# Allegro board sk_s7g2 rev3.0.brd (continued)
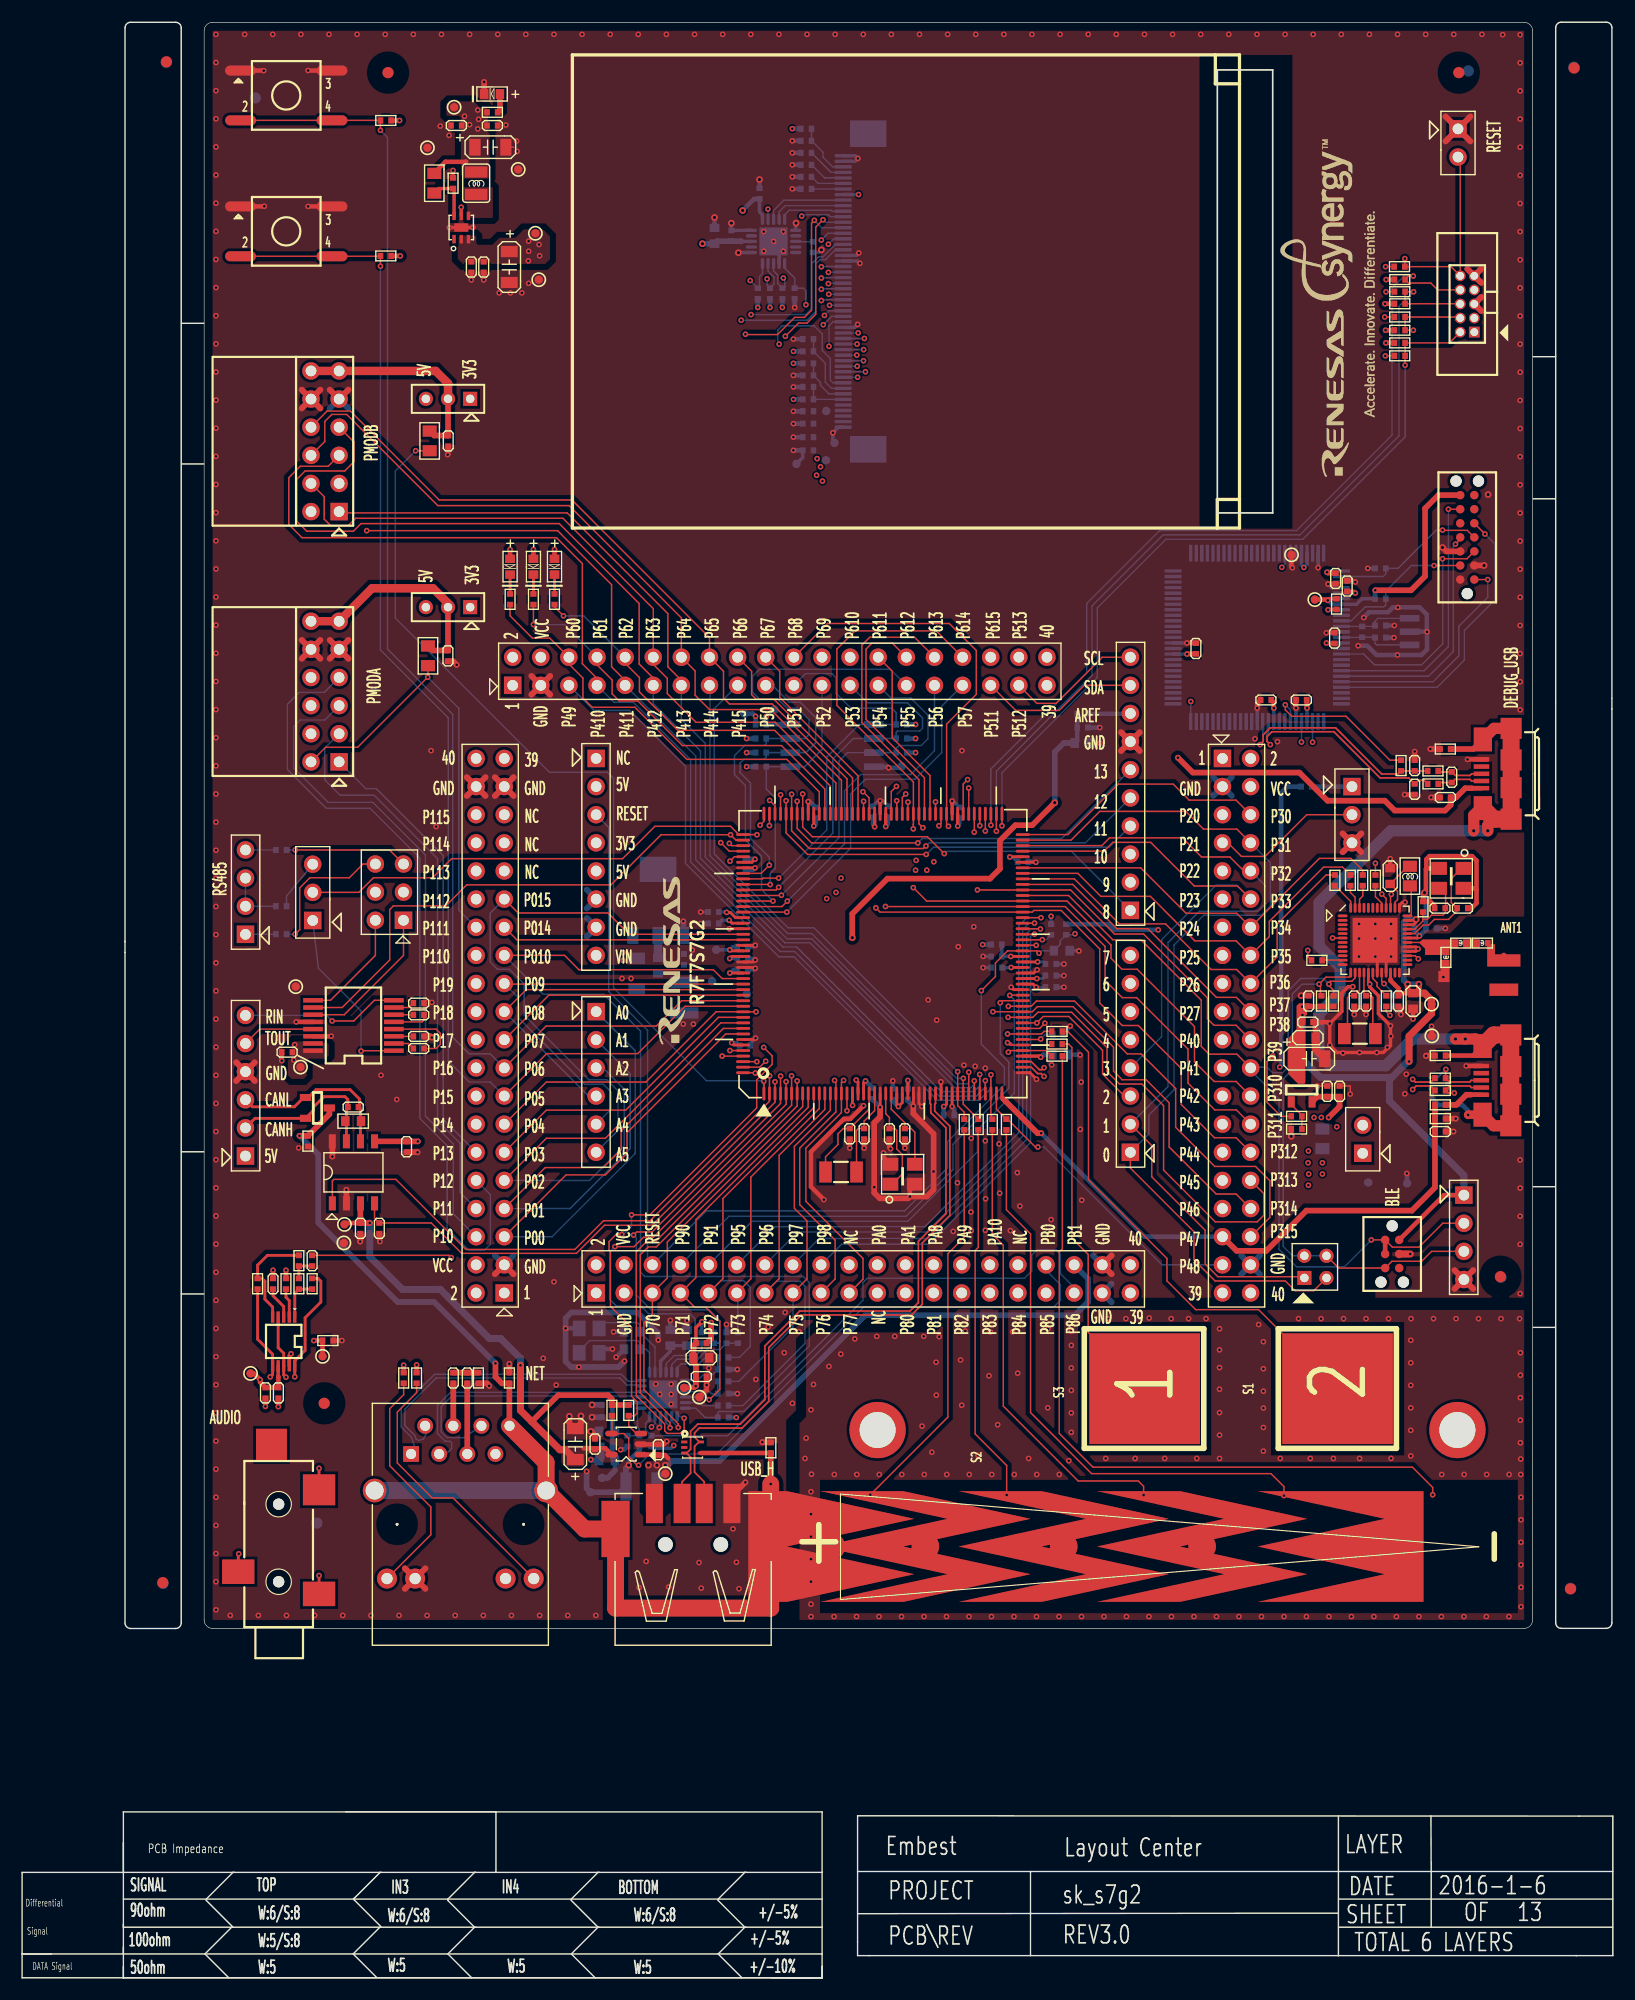
[diagram p0: board, top side]
## Routing (per net, layer and track width the routed paths; a pad name or vN(x,y) marks a point on that pad's centre or on a via; arc(x,y) is an arc through that point)
+3V3: length 142.5
  TOP w0.305: 23.13,54.29 U10.7 ; R83.1 118.09,124.52 v1(117.94,124.37) ; v1(117.82,120.52) 117.86,120.48 C72.1
  TOP w0.406: 40.11,163.99 40.09,163.96 38.23,163.96 37.23,162.96 R118.1 ; v1(105.22,119.52) 105.24,119.54 C70.1 ; R76.1 v1(34.16,155.47) ; v1(113.06,114.64) 113.06,115.14 C73.1 ; LED3.1 v1(48.09,128.96) ; LED2.1 v1(46.18,128.96) ; LED1.1 v1(44.07,128.96) ; C74.1 116.03,114.66 v1(116.06,114.63) ; v1(117.86,126.91) 117.94,126.83 C71.1 ; R75.1 v1(34.09,167.7) ; 23.13,54.29 23.15,54.27 C66.1 C67.1 21.49,53.78 v1(21.49,54.01) 20.93,54.57 TP19.1 ; R52.1 v1(34.46,55.32) ; R105.1 v1(123.15,148.76) ; R51.1 v1(35.63,55.34) ; v1(117.94,124.37) 117.86,124.44 TP21.1 ; R103.1 v1(123.21,153.33) ; R69.1 v1(23.83,63.89) ; R104.1 v1(123.1,151.15) ; R106.2 v1(123.18,147.62)
  TOP w0.508: U8.5 34.72,75.53 C49.1 v1(35.74,75.52) ; Q1.2 116.99,79.56 C111.1 C110.1 119,78.67 v1(118.01,77.68) ; v1(122.23,125.28) 125.46,125.28 126.73,126.55 126.73,132.67 127.92,133.87 J17.8 ; v1(62.24,59.16) 62.24,57.72 R47.1
  INT3 w0.406: v1(65.44,109.35) v1(65.44,110.62) v1(65.44,111.89)
  INT4 w0.533: 46.01,120.08 J22.4 ; J22.4 47.69,120.08 ; J22.4 47.69,118.4 ; J22.4 46.01,118.4 ; 51.01,103.32 J25.4 ; J25.4 52.69,103.32 ; J25.4 52.69,101.64 ; J25.4 51.01,101.64 ; 110.12,106.72 J21.4 ; J21.4 110.12,108.4 ; J21.4 111.81,106.72 ; J21.4 111.81,108.4 ; J18.1 131.8,149.21 ; J18.1 130.55,147.96 ; J18.1 131.8,147.96 ; J23.4 55.23,63.54 ; J23.4 55.23,65.22 ; J23.4 53.55,63.54 ; J23.4 53.55,65.22 ; 40.17,65.22 J20.4 ; J20.4 41.85,65.22 ; J20.4 41.85,63.54 ; J20.4 40.17,63.54 ; J15.1 41.2,143.3 ; J15.1 39.73,143.3 ; J15.1 39.73,141.83 ; J15.1 41.2,141.83 ; 120.25,76.15 J31.2 ; J31.2 121.93,76.15 ; J31.2 121.93,77.83 ; J31.2 120.25,77.83 ; J13.1 41.2,123.02 ; J13.1 39.73,124.49 ; J13.1 39.73,123.02 ; J13.1 41.2,124.49
  BOTTOM w0.305: R80.1 121.04,124.52 120.53,124.01 119.17,124.01 U11.7 118.28,124.02 v1(117.94,124.37) 118.09,124.52 U11.6 ; U11.97 116.06,127.62 v1(115.78,127.34) 115.56,127.55 U11.96 ; U11.35 v1(113.06,114.64) ; U11.60 v1(105.22,119.52) ; J3.8 v1(75.55,161.01) ; U11.29 v1(116.06,114.63) ; U11.14 v1(117.82,120.52) ; C38.1 66.6,159.44 66.87,159.17 U3.16 ; U11.1 117.98,127.02 v1(117.86,126.91) ; 64.95,156.78 U3.13
  BOTTOM w0.406: R93.1 v1(80.7,113.16) ; R98.1 v1(65.44,111.89) ; C38.1 66.12,160.61 v2(65.08,159.57) ; R94.1 v1(65.44,110.62) ; R96.1 v1(80.7,111.89) ; R80.1 122.21,125.25 v1(122.23,125.28) ; R20.1 v1(69.67,142.52) ; R32.1 v1(68.67,150.81) ; R22.1 v1(69.57,166.96) ; v1(102.62,94.62) 98.63,94.62 98.13,95.13 R7.1 ; R95.1 v1(65.44,109.35) ; R30.1 v1(67.55,150.81) ; R23.1 v1(69.67,146.85) ; TP9.1 67.82,114.51 v1(67.21,113.9) C43.1 67.22,113.16 U6.8 ; R19.1 v1(69.67,145.77) ; R31.1 v1(66.45,150.81) ; R97.1 v1(80.7,110.62)
  BOTTOM w0.508: v1(51.36,46.79) 51.43,46.72 FB2.1 52.36,46.95 R46.1 ; 64.95,156.78 64.93,156.8 C108.1 62.77,156.8 C109.1 v2(61.45,156.57)
  vias: v1(24.54,82.86) v1(24.62,84.26) v1(39.96,168.08) v1(40.42,167.32) v1(41.15,168.64) v1(41.15,166.94) v1(41.23,167.8) v1(71.76,135.67) v1(71.81,137.17) v1(72.12,136.43) v1(72.29,135.13) v1(116.69,77.68) v1(117.35,77.68) v1(118.75,76.84)
+3V3_BLE: length 71.7
  TOP w0.254: 123.61,90.17 U2.22 ; v2(125.91,95.56) 125.83,95.48 ; 125.83,95.48 125.83,95.23 125.69,95.08 U2.34 ; 125.83,95.48 U2.35
  TOP w0.406: J33.1 128.43,70.67 J34.2 ; 115.65,87.31 116.06,87.71 ; 115.65,87.28 115.63,87.31 v1(115.63,87.69) ; C24.2 R15.1 R16.1 ; 123.61,90.17 123.61,90.05 124.32,89.33 C30.1 124.55,88.91 125.46,88.91
  TOP w0.508: C31.1 125.46,88.91 125.15,89.21 v2(125.15,89.72) ; v2(126.17,89.72) 126.17,89.08 125.99,88.91 ; v1(115.65,86.93) C105.1 115.42,86.06 C106.1 ; C24.2 115.65,87.71 v1(115.63,87.69) 115.65,87.66 115.65,87.28
  TOP w0.635: v1(125.28,82.73) 125.28,85.02 127.31,87.05 TP1.1 127.31,88.27 126.68,88.91 C31.1 ; C106.1 114.86,84.33 C107.1 114.86,81.96 Q1.3
  BOTTOM w0.127: v1(115.63,87.69) 115.65,87.66 v1(115.65,86.93)
  BOTTOM w0.508: v2(126.17,89.72) v2(125.15,89.72) 124.8,90.08 C28.1 124.8,95.31 125.05,95.56 v2(125.91,95.56)
  BOTTOM w0.635: v1(125.28,82.73) 125.15,82.73 123.7,81.29 ; 123.7,81.29 117.28,81.29 115.63,82.94 v1(115.63,87.69) ; 123.7,81.29 123.5,81.08 123.5,79.18 130.23,72.45 J33.1
+3V3_MCU: length 54.5
  TOP w0.254: U1.34 83.51,78.88 83.29,78.67 v1(83.24,78.67) ; U1.26 79.51,79.02 v1(79.15,78.67) 79.01,78.82 U1.25 ; U1.138 65.92,100.72 v1(66.2,101) ; U1.171 64.3,84.22 v1(64.09,84.44) ; v1(71.51,103.99) 71.51,104.15 71.51,104.15 U1.123 ; U1.84 89.23,101.22 v1(89.21,101.2) ; U1.18 75.51,80.9 v1(75.34,81.06) ; v1(63.86,95.49) 64.12,95.22 U1.149 ; U1.61 91.32,89.72 v1(91.6,89.44)
  TOP w0.305: U1.110 v1(78.01,103.95) ; v1(84.51,103.99) 84.51,104.1 84.51,104.1 U1.97 ; v1(92,83.12) 91.9,83.22 U1.48
  BOTTOM w0.254: C12.1 v1(91.6,89.44)
  BOTTOM w0.305: C8.1 64.55,84.44 v1(64.09,84.44) ; C7.1 89.49,101.2 v1(89.21,101.2) ; C5.1 63.22,95.49 v1(63.86,95.49) ; R2.1 v1(92.94,95.84) ; v1(84.51,103.99) 84.69,104.17 C10.1 ; C3.1 78.24,104.18 v1(78.01,103.95)
  BOTTOM w0.406: R1.1 114.28,107.55 113.72,106.99 113.72,82.35 v1(113.59,82.23) ; v1(79.15,78.67) 78.64,79.18 C11.1 ; v1(83.24,78.67) 83.23,78.66 C6.1 ; v1(92,83.12) 92.25,83.36 C2.1 ; R3.1 v1(86.76,93.29) ; v1(66.2,101) 66.17,101.02 65.36,101.02 ; C4.1 71.68,104.17 v1(71.51,103.99)
  vias: v1(72.68,97.44) v1(73.51,98) v1(73.97,99.3) v1(80.75,100.9) v1(80.7,100.01) v1(81.72,100.01) v1(82.35,100.77) v1(116.19,74.66) v1(116.16,73.59) v1(116.19,71.56) v1(116.21,72.57) v1(117.46,73.59) v1(117.46,72.57)
+3V3ANA: length 54.3
  TOP w0.254: U1.158 v1(63.92,90.72) ; U1.155 64.1,92.22 v1(63.91,92.03) ; v1(63.91,92.82) 64.01,92.72 U1.154
  TOP w0.508: v2(74.99,93.91) 74.99,96.07 78.16,99.24 87.43,99.24 88.32,100.13 88.32,102.67 89.72,104.07 91.24,104.07 v2(93.27,106.1)
  INT3 w0.508: v1(63.91,92.82) 63.99,92.82 65.08,93.91 v2(74.99,93.91)
  BOTTOM w0.305: C15.1 64.18,93.09 v1(63.91,92.82) TP31.1 ; C14.1 63.93,92.05 v1(63.91,92.03) ; C16.1 64.21,91.01 v1(63.92,90.72)
  BOTTOM w0.406: C94.1 95.31,111.72 95.31,114.13
  BOTTOM w0.508: C94.1 94.09,111.49 93.27,110.67 v2(93.27,106.1)
+5V: length 195.6
  TOP w0.406: U14.5 52.67,47.81 50.73,47.81 ; C50.1 29.24,68.15 TP14.1 ; J19.1 130.93,107.41
  TOP w0.508: 46.03,50.22 48.42,52.61 52.91,52.61 53.27,52.25 R122.1 R120.1 ; v1(104.4,110.17) 105.75,108.82 115.37,108.82 117.91,106.28 123.09,106.28 123.98,105.39 128.53,105.39 129.04,105.9 C79.1 129.52,106.57 130.36,107.41 130.93,107.41 ; U8.3 30.55,69.92 C50.1 31.4,68.15 v1(31.4,68.15)
  TOP w0.635: v1(45.01,55.3) 45.01,51.24 48.57,47.68 49.08,47.68 C101.1
  INT3 w0.533: J15.3 37.2,141.83 ; J15.3 35.74,141.83 ; J15.3 37.2,143.3 ; J15.3 35.74,143.3 ; J25.5 52.69,100.78 ; J25.5 51.01,99.1 ; J25.5 51.01,100.78 ; J25.5 52.69,99.1 ; 35.74,123.02 J13.3 ; J13.3 37.2,123.02 ; J13.3 35.74,124.49 ; J13.3 37.2,124.49 ; J25.2 52.69,106.72 ; J25.2 51.01,108.4 ; J25.2 52.69,108.4 ; J25.2 51.01,106.72 ; 19.33,73.36 J7.1 ; J7.1 21.01,73.36 ; J7.1 19.33,75.04 ; J7.1 21.01,75.04
  INT3 w0.762: v1(104.4,110.17) 104.35,110.17 102.82,111.69 102.82,126.63 90.63,138.82 90.63,147.25 78.57,159.32 75.37,159.32 74.1,160.59 48.06,160.59 46.79,159.32 ; 45.32,159.04 45.6,159.32
  BOTTOM w0.635: v1(45.01,55.3) 45.01,55.94 43.24,57.72 42.22,57.72 37.78,62.16 34.35,62.16 31.4,65.11 v1(31.4,68.15)
  vias: v1(45.75,156.8) v1(45.75,155.89) v1(45.73,155.02) v1(46.69,156.5) v1(46.74,155.48) v1(54.26,92.56) v1(54.29,91.85)
AGND: length 5.6
  TOP w0.305: U10.9 24.13,56.18 v1(24.29,56.34)
  TOP w0.406: C66.2 v1(23.15,51.57) ; C67.2 v1(21.98,51.59) ; TP20.1 R74.1 v1(26.35,57.54) ; C69.1 v1(22.66,63.89)
GND_ETH: length 2.3
  TOP w0.508: C58.1 C60.2 R49.2
GND_POWER: length 767.1
  TOP w0.127: C111.2 v1(117,80.52) ; C110.2 119.97,80.52 v1(119.97,79.79) ; C86.2 44.43,165.28
  TOP w0.254: v1(66.25,84.84) 66.13,84.72 U1.170 ; U1.83 v1(91.57,100.72) ; U2.37 124.4,96.85 124.67,97.11 v1(124.92,97.11) ; v1(66.2,100.21) 66.19,100.22 U1.139 ; v1(123.65,92.21) 123.21,91.76 U2.21 ; U2.28 125.88,92.68 v1(126.09,92.89) 125.9,93.08 U2.29 ; U1.45 91.04,81.72 v1(91.62,81.13) ; U1.156 66.04,91.72 v1(66.22,91.9) ; U1.60 89.56,89.22 v1(89.34,89.44) ; v1(121.72,89.72) 121.61,89.84 U2.17 ; v1(66.22,93.22) 66.22,93.22 U1.153 ; v1(82.99,80.91) 82.99,80.88 83.01,80.86 U1.33 ; U1.124 71.01,106.2 v1(71,106.2) ; U1.35 84.01,78.67 v1(84,78.67) ; v1(122.23,92.21) 122.4,92.03 U2.19 ; U1.29 81.01,78.93 v1(81.26,78.67) 81.51,78.92 U1.30 ; v1(63.89,94.72) 63.89,94.72 U1.150 ; U1.22 v1(77.51,78.6) ; U1.157 66.14,91.22 v1(66.22,91.14) ; U1.63 91.38,90.72 v1(91.67,91.01) ; U1.28 80.51,78.91 80.5,78.9 v1(80.5,78.7)
  TOP w0.305: v1(120.2,89.49) 119.78,89.49 119.21,88.92 119.21,87.26 v1(118.12,86.16) v1(118.12,84.21) 118.78,83.55 v1(120.81,83.55) v1(122.36,83.55) 122.94,83.55 123.32,83.93 v1(123.32,84) 123.45,84 123.6,84.16 v1(123.6,85.96) 122.51,87.05 122.51,88.68 121.72,89.47 v1(121.72,89.72) ; v1(120.42,126.02) 120.3,126.14 C78.2 ; v1(40.71,158.03) U12.7 38.6,158.03 v1(38.59,158.02) ; C84.2 v1(41.69,153.3) ; C72.2 v1(117.81,121.44) ; U12.5 v1(39.67,159.86) ; R117.2 v1(38.92,163.18) ; v1(84,106.25) 84,106 84.01,106 U1.98 ; U1.111 v1(77.51,106.28) ; C82.2 v1(40.57,153.3)
  TOP w0.406: v1(72.42,70.26) 71.25,71.43 71.25,74.58 74.22,77.55 74.81,77.55 v1(76,78.75) ; 132.29,110.01 J19.5 v1(130.56,110.01) ; v1(114.74,127.31) 114.66,127.39 TP22.1 ; v1(111.56,114.64) 111.56,115.07 C73.2 ; v1(78.44,74.86) 78.34,74.96 C19.2 ; C74.2 115.07,114.65 v1(115.06,114.64) ; v1(27.92,85.02) 27.91,85.01 U7.14 ; C76.2 v1(124.88,106.84) ; v1(21.88,159.95) 21.86,159.94 S5.1 ; C22.2 v1(74.76,74.91) ; S4.3 v1(25.82,172.21) ; v1(124.54,86.98) 124.54,87.49 C30.2 ; v1(120.33,86.98) C26.2 ; v1(32.31,66.48) 32.26,66.53 C99.2 ; v1(121.39,86.98) C27.2 ; U14.2 55.92,48.17 C103.2 57.94,48.17 v1(58.22,48.44) ; S4.1 21.81,172.21 v1(21.82,172.19) ; C44.1 v1(23.45,82.81) ; X1.4 77.81,74.09 v1(77.81,74.48) ; S5.3 v1(25.82,159.94) ; v1(61.83,53.52) 61.83,53.09 TP17.1 ; v1(105.2,120.52) 106.01,120.52 C70.2 ; v1(117.96,125.84) 117.99,125.86 C71.2 ; TP2.1 127.34,85.88 v1(127.31,85.91) ; C23.2 v1(76.05,74.91) ; C77.2 v1(125.79,110.73) ; v1(80.19,70.54) 80.19,71.22 X1.2 ; R124.2 v2(114.64,75.98) ; C20.2 v1(79.74,74.91) ; J5.5 v1(130.44,82.33) ; C106.2 116.85,86.06 C105.2 117.99,86.29 v1(118.12,86.16) ; R74.2 v1(28.89,57.54) ; C24.1 v2(115.52,88.68) ; U7.12 v1(24.75,86.31) ; v1(38.44,137.52) 38.49,137.57 C65.2 ; C25.2 v1(123.58,101.05) ; C31.2 v1(125.64,86.58)
  TOP w0.508: LED4.2 v1(41.74,171.18) ; R86.1 v1(127.2,110.95) ; v1(37.01,84.89) 36.91,85 C46.2 ; R37.2 v1(129.49,77.58) ; J6.4 64.11,43.51 v1(65.33,44.74) ; v1(35.72,74.53) 35.69,74.55 C49.2 ; v1(39.25,118.55) 38.92,118.88 C64.2 ; R48.2 v1(44.01,55.44) ; v1(77.51,78.6) 77.51,77.73 76.97,77.2 v1(76.97,71.39) 76.97,70.88 77.48,70.37 80.02,70.37 v1(80.19,70.54) 81.72,70.54 82.33,71.15 v1(82.33,72.8) 82.33,76.21 80.5,78.04 v1(80.5,78.7) ; J17.2 v2(132.06,127.52) ; v1(66.86,48.37) 66.88,48.34 R41.1 ; v2(49.43,50.7) 49.43,50.1 49.93,49.59 C101.2 50.48,50.1 v2(50.48,50.73) ; U8.2 v1(29.29,71.15) ; R38.1 126.83,83.27 v1(126.8,83.24) ; J17.12 128.65,128.79 v2(128.3,129.14) ; U8.8 v1(28.02,74.15) ; v1(30.54,66.48) 30.55,66.49 C50.2 ; v1(42.2,53.45) 41.97,53.68 R49.1 ; C40.2 v1(129.29,76.41) ; v2(51.37,49.34) 51.75,48.96 C102.2 ; C56.2 v1(61.83,53.52) ; C79.2 v1(127.27,106.57)
  TOP w0.533: 119.28,101.64 J1.3 ; J1.3 119.28,103.32 ; J1.3 120.96,103.32 ; J1.3 120.96,101.64 ; J12.10 26.93,119.1 ; J12.10 26.93,120.79 ; J12.10 25.25,120.79 ; J12.10 25.25,119.1 ; J22.3 47.69,115.86 ; J22.3 47.69,117.54 ; J22.3 46.01,117.54 ; J22.3 46.01,115.86 ; J11.10 36.42,35.13 ; J11.10 36.42,36.97 ; J11.10 34.58,36.97 ; J11.10 34.58,35.13 ; 99.27,112.46 J24.7 ; J24.7 100.95,110.78 ; J24.7 100.95,112.46 ; J24.7 99.27,110.78 ; J2.1 130.82,168.05 ; J2.1 128.58,168.05 ; J2.1 130.82,165.82 ; J2.1 128.58,165.82 ; 129.39,63.89 J33.4 ; J33.4 131.07,63.89 ; J33.4 129.39,62.21 ; J33.4 131.07,62.21 ; 27.79,119.1 J12.9 ; J12.9 29.47,120.79 ; J12.9 29.47,119.1 ; J12.9 27.79,120.79 ; 40.17,106.72 J20.38 ; J20.38 41.85,106.72 ; J20.38 40.17,108.4 ; J20.38 41.85,108.4 ; J7.4 21.01,80.98 ; J7.4 19.33,82.66 ; J7.4 21.01,82.66 ; J7.4 19.33,80.98 ; 42.71,108.4 J20.37 ; J20.37 44.39,108.4 ; J20.37 42.71,106.72 ; J20.37 44.39,106.72 ; 44.39,63.54 J20.3 42.71,63.54 ; 27.79,143.38 J14.9 29.47,143.38 ; 25.25,141.7 J14.10 ; J14.10 26.93,143.38 ; J14.10 25.25,143.38 ; J14.10 26.93,141.7 ; 131.8,150.5 J18.5 131.8,151.75 ; J18.9 131.8,153.04 ; J18.9 130.55,154.29 ; J18.9 131.8,154.29 ; 98.41,65.22 J23.38 98.41,63.54
  TOP w0.635: C107.2 116.85,83.8 C106.2 ; J34.4 v1(125.39,65.36)
  GND2 w0.533: J21.38 111.81,65.22 ; J21.38 111.81,63.54 ; J21.38 110.12,65.22 ; J21.38 110.12,63.54 ; J21.3 109.27,108.4 ; J21.3 107.58,108.4 ; J21.3 109.27,106.72 ; J21.3 107.58,106.72 ; J23.38 98.41,63.54 ; J23.38 96.73,63.54 ; J23.38 98.41,65.22 ; J23.38 96.73,65.22 ; J18.9 131.8,153.04 ; J18.9 130.55,154.29 ; J18.9 131.8,154.29 ; 51.01,94.02 J25.7 ; J25.7 52.69,95.7 ; J25.7 51.01,95.7 ; J25.7 52.69,94.02 ; 25.25,120.79 J12.10 ; J12.10 26.93,119.1 ; J12.10 26.93,120.79 ; J12.10 25.25,119.1 ; 96.73,61 J23.37 ; J23.37 98.41,62.68 ; J23.37 96.73,62.68 ; J23.37 98.41,61 ; 42.71,108.4 J20.37 ; J20.37 42.71,106.72 ; J20.37 44.39,108.4 ; J20.37 44.39,106.72 ; 25.25,143.38 J14.10 ; J14.10 26.93,143.38 ; J14.10 26.93,141.7 ; J14.10 25.25,141.7 ; J23.3 55.23,61 ; J23.3 53.55,61 ; J23.3 53.55,62.68 ; J23.3 55.23,62.68 ; 131.8,149.23 J18.3 131.8,150.48 ; J20.3 44.39,63.54 ; J20.3 42.71,65.22 ; J20.3 44.39,65.22 ; J20.3 42.71,63.54 ; J25.6 52.69,98.24 ; J25.6 51.01,96.56 ; J25.6 51.01,98.24 ; J25.6 52.69,96.56 ; J1.3 120.96,103.32 ; J1.3 119.28,103.32 ; J1.3 119.28,101.64 ; J1.3 120.96,101.64 ; J12.9 29.47,120.79 ; J12.9 27.79,120.79 ; J12.9 27.79,119.1 ; J12.9 29.47,119.1 ; 40.17,108.4 J20.38 ; J20.38 41.85,108.4 ; J20.38 40.17,106.72 ; J20.38 41.85,106.72 ; 128.86,166.09 J2.1 ; J2.1 130.54,166.09 ; J2.1 130.54,167.78 ; J2.1 128.86,167.78 ; J33.4 131.07,63.89 ; J33.4 129.39,62.21 ; J33.4 131.07,62.21 ; J33.4 129.39,63.89 ; J14.9 29.47,143.38 ; J14.9 27.79,141.7 ; J14.9 29.47,141.7 ; J14.9 27.79,143.38 ; 19.33,80.98 J7.4 ; J7.4 21.01,80.98 ; J7.4 19.33,82.66 ; J7.4 21.01,82.66 ; J11.10 36.42,36.97 ; J11.10 34.58,35.13 ; J11.10 34.58,36.97 ; J11.10 36.42,35.13 ; J22.3 47.69,115.86 ; J22.3 46.01,117.54 ; J22.3 47.69,117.54 ; J22.3 46.01,115.86 ; 65.13,127.04 64.29,126.19 ; 65.13,127.04 65.97,126.19 ; 65.13,127.04 64.29,127.87 ; 65.13,127.04 65.97,127.87 ; J24.7 100.95,112.46 ; J24.7 99.27,110.78 ; J24.7 99.27,112.46 ; J24.7 100.95,110.78 ; 131.8,150.5 J18.5 131.8,151.75
  INT3 w0.533: 129.39,62.21 J33.4 ; J33.4 131.07,62.21 ; J33.4 129.39,63.89 ; J33.4 131.07,63.89 ; J1.3 120.96,101.64 ; J1.3 119.28,101.64 ; J1.3 120.96,103.32 ; J1.3 119.28,103.32 ; 34.58,35.13 J11.10 ; J11.10 36.42,35.13 ; J11.10 34.58,36.97 ; J11.10 36.42,36.97 ; J2.1 130.54,166.09 ; J2.1 130.54,167.78 ; J2.1 128.86,167.78 ; J2.1 128.86,166.09 ; J22.3 47.69,117.54 ; J22.3 46.01,117.54 ; J22.3 47.69,115.86 ; J22.3 46.01,115.86 ; 27.79,119.1 J12.9 29.47,119.1 ; 99.27,110.78 J24.7 ; J24.7 99.27,112.46 ; J24.7 100.95,110.78 ; J24.7 100.95,112.46 ; 110.12,65.22 J21.38 111.81,65.22 ; J23.38 98.41,63.54 ; J23.38 96.73,63.54 ; J23.38 98.41,65.22 ; J23.38 96.73,65.22 ; J23.3 55.23,61 ; J23.3 55.23,62.68 ; J23.3 53.55,62.68 ; J23.3 53.55,61 ; 131.8,150.5 J18.5 131.8,151.75 ; 109.27,108.4 J21.3 107.58,108.4 ; 130.55,154.29 J18.9 ; J18.9 131.8,154.29 ; J18.9 131.8,153.04 ; 131.8,149.23 J18.3 131.8,150.48
  INT4 w0.533: J14.9 29.47,143.38 ; J14.9 29.47,141.7 ; J14.9 27.79,143.38 ; J14.9 27.79,141.7 ; 34.58,36.97 J11.10 ; J11.10 36.42,35.13 ; J11.10 36.42,36.97 ; J11.10 34.58,35.13 ; 27.79,120.79 J12.9 ; J12.9 29.47,120.79 ; J12.9 29.47,119.1 ; J12.9 27.79,119.1 ; 51.01,94.02 J25.7 ; J25.7 52.69,94.02 ; J25.7 52.69,95.7 ; 25.25,119.1 J12.10 ; J12.10 25.25,120.79 ; J12.10 26.93,119.1 ; J12.10 26.93,120.79 ; 25.25,141.7 J14.10 ; J14.10 25.25,143.38 ; J14.10 26.93,141.7 ; J14.10 26.93,143.38 ; 19.33,82.66 J7.4 19.33,80.98 ; 128.86,167.78 J2.1 ; J2.1 130.54,167.78 ; J2.1 130.54,166.09 ; J2.1 128.86,166.09 ; 129.39,63.89 J33.4 ; J33.4 131.07,62.21 ; J33.4 131.07,63.89 ; J33.4 129.39,62.21
  GND5 w0.533: J12.9 29.47,120.79 ; J12.9 27.79,119.1 ; J12.9 29.47,119.1 ; J12.9 27.79,120.79 ; J2.1 130.54,166.09 ; J2.1 130.54,167.78 ; J2.1 128.86,166.09 ; J2.1 128.86,167.78 ; 51.01,95.7 J25.7 ; J25.7 52.69,95.7 ; J25.7 51.01,94.02 ; J25.7 52.69,94.02 ; J12.10 26.93,120.79 ; J12.10 25.25,120.79 ; J12.10 25.25,119.1 ; J12.10 26.93,119.1 ; J18.9 131.8,153.04 ; J18.9 130.55,154.29 ; J18.9 131.8,154.29 ; J25.6 52.69,98.24 ; J25.6 51.01,98.24 ; J25.6 51.01,96.56 ; J25.6 52.69,96.56 ; 53.55,61 J23.3 ; J23.3 53.55,62.68 ; J23.3 55.23,62.68 ; J23.3 55.23,61 ; J33.4 131.07,62.21 ; J33.4 129.39,63.89 ; J33.4 129.39,62.21 ; J33.4 131.07,63.89 ; J14.10 26.93,143.38 ; J14.10 25.25,143.38 ; J14.10 25.25,141.7 ; J14.10 26.93,141.7 ; J1.3 120.96,101.64 ; J1.3 119.28,103.32 ; J1.3 119.28,101.64 ; J1.3 120.96,103.32 ; J23.38 98.41,63.54 ; J23.38 96.73,65.22 ; J23.38 96.73,63.54 ; J23.38 98.41,65.22 ; 131.8,150.48 J18.3 131.8,149.23 ; J23.37 98.41,62.68 ; J23.37 96.73,61 ; J23.37 98.41,61 ; J23.37 96.73,62.68 ; 34.58,36.97 J11.10 ; J11.10 36.42,35.13 ; J11.10 36.42,36.97 ; J11.10 34.58,35.13 ; J21.3 109.27,108.4 ; J21.3 109.27,106.72 ; J21.3 107.58,106.72 ; J21.3 107.58,108.4 ; J22.3 47.69,115.86 ; J22.3 46.01,115.86 ; J22.3 46.01,117.54 ; J22.3 47.69,117.54 ; J20.3 44.39,65.22 ; J20.3 42.71,63.54 ; J20.3 44.39,63.54 ; J20.3 42.71,65.22 ; 19.33,82.66 J7.4 ; J7.4 19.33,80.98 ; J7.4 21.01,82.66 ; J7.4 21.01,80.98 ; J24.7 100.95,110.78 ; J24.7 99.27,112.46 ; J24.7 99.27,110.78 ; J24.7 100.95,112.46 ; J20.38 41.85,106.72 ; J20.38 40.17,106.72 ; J20.38 40.17,108.4 ; J20.38 41.85,108.4 ; J14.9 29.47,141.7 ; J14.9 27.79,141.7 ; J14.9 27.79,143.38 ; J14.9 29.47,143.38 ; 42.71,108.4 J20.37 ; J20.37 44.39,106.72 ; J20.37 44.39,108.4 ; J20.37 42.71,106.72 ; J21.38 111.81,65.22 ; J21.38 111.81,63.54 ; J21.38 110.12,65.22 ; J21.38 110.12,63.54 ; 131.8,150.5 J18.5 131.8,151.75
  BOTTOM w0.127: 68.37,156.28 v1(68.76,155.89)
  BOTTOM w0.305: v1(67.87,156.78) 68.37,156.28 U3.7 ; v1(66.22,91.9) 66.08,92.05 C14.2 ; R81.2 v1(121.54,127.26) ; C1.1 77.32,106.28 v1(77.51,106.28) 77.73,106.28 C3.2 ; C39.2 71.96,155.78 v2(72.19,156.01) ; J3.19 75.35,155.51 v1(75.57,155.73) ; TP5.1 70.52,137.26 C37.2 ; C7.2 91.52,100.77 v1(91.57,100.72) ; U11.31 v1(115.06,114.64) ; U3.15 64.07,157.78 C108.2 v2(64.06,158.43) ; v1(117.81,121.44) 117.89,121.52 U11.12 ; v1(114.74,127.31) 114.56,127.49 U11.94 ; U11.99 v1(117.06,127.32) ; v1(66.22,91.14) 66.09,91.01 C16.2 ; v1(75.47,149.28) 75.2,149.01 J3.32 ; TP6.1 73.23,138.73 v1(73.23,139.5) 73.74,140.01 J3.50 ; U11.4 118.28,125.52 v1(117.96,125.84) ; R5.2 v1(86.81,92.22) ; v2(69.91,158.43) 69.87,158.39 U3.1 ; C12.2 v1(94.1,89.44) ; U11.38 v1(111.56,114.64) ; v1(95.46,92.72) 95.44,92.73 C18.2 ; C10.2 84.11,106.25 v1(84,106.25) ; v2(64.7,155.76) 64.72,155.78 U3.11 ; U9.22 57.67,49.79 v1(57.56,49.69) ; J3.1 75.25,164.51 v1(75.49,164.27) 75.24,164.01 J3.2 ; C13.1 v1(61.29,96.23) ; v1(66.22,93.22) 66.09,93.09 C15.2 ; v1(75.67,154.79) 75.46,155.01 J3.20 ; C8.2 65.77,84.36 v1(66.25,84.84) ; U11.3 v1(120.42,126.02) ; U11.62 v1(105.2,120.52) ; R6.2 v1(86.81,91.21) ; C17.2 v1(94.1,90.49) ; R4.2 v1(94.1,91.53) ; C5.2 v1(61.29,95.19)
  BOTTOM w0.406: C95.2 v1(97.34,112.88) ; 126.88,121.55 126.88,123.1 126.24,123.73 v1(124.26,123.73) 123.81,123.73 123.37,123.3 121.67,123.3 v1(121.19,122.82) ; 126.88,121.55 v1(126.9,121.52) 126.9,119.95 126.4,119.44 v1(124.24,119.44) 122.33,119.44 121.49,120.28 v1(120.68,120.28) ; 126.88,121.55 X6.2 ; C80.2 v1(123.91,121.01) ; C38.2 v2(66.6,162.36) ; R28.2 v1(69.67,144.68) ; C43.2 v1(66.25,113.9) 66.01,114.14 TP28.1 ; R125.2 v1(69.78,150.81) ; C36.2 v1(69.67,139.1) ; C6.2 84.2,78.48 v1(84,78.67) ; 63.81,52.75 v1(64.61,52.75) ; v1(80.5,78.7) 80.02,79.18 R9.2 ; C62.2 53.65,56.04 v1(53.65,56.04) ; v1(77.51,78.6) 76.87,79.24 C21.2 ; R59.2 v1(63.62,59) ; C35.2 v1(69.67,140.32) ; v1(125.08,72.63) 125.1,72.6 TP30.1 ; C81.2 v1(123.95,122.1) ; v1(94.67,85.93) 94.06,85.33 C63.2 ; R18.2 v1(69.57,164.77) ; R26.2 v1(69.57,165.86) ; X5.2 52.45,56.78 v1(53.32,56.78) ; v1(95.56,83.32) 95.52,83.36 C2.2 ; R29.2 v1(69.67,143.64) ; v1(66.2,100.21) 66.05,100.06 C9.2 ; v1(71,106.2) 71.15,106.2 C4.2 ; C61.2 v1(53.42,58.33) ; R24.2 v1(69.57,162.61) ; C37.2 v1(69.67,137.91) ; C59.2 v1(58.55,59.36) ; C94.2 v1(97.36,111.49) ; TP10.1 79.3,109.25 v1(78.26,109.25) 78.16,109.35 U6.4 ; X5.4 v1(49.09,58.64) ; v1(128.56,94.75) R111.1 ; R27.2 v1(69.67,147.96) ; v1(124.54,86.98) 124.54,86.99 C29.2 ; R50.2 v1(60.05,59.34) ; C109.2 v2(62.54,158.93) ; C34.2 v1(69.67,141.44) ; C54.2 54.38,47.68 v1(54.06,47.68) ; C11.2 v1(78.64,80.98) ; R25.2 v1(69.57,161.52) ; C55.2 55.75,47.63 54.79,46.67 v2(54.79,46.29) ; R21.2 v1(69.57,163.69) ; 63.81,54.93 v1(64.61,54.93)
  BOTTOM w0.508: C52.2 v2(51.48,51.74) ; v2(54.79,46.29) 54.54,46.03 C104.2 54,43.85 TP18.1 50.98,44.19 v1(50.98,45.73) ; U13.1 v1(59.73,95.39) ; v1(57.46,57.59) 57.46,58.2 55.58,60.08 49.61,60.08 49.09,59.56 49.09,58.64 v1(49.09,58.64) 49.09,55.66 49.59,55.15 v1(50.3,55.15) 53.88,55.15 v1(54.41,55.68) ; C53.2 v2(51.48,50.62) ; C51.2 v2(51.37,49.34)
  BOTTOM w0.533: J11.10 36.42,36.97 ; J11.10 34.58,36.97 ; J11.10 36.42,35.13 ; J11.10 34.58,35.13 ; 25.25,141.7 J14.10 ; J14.10 26.93,143.38 ; J14.10 25.25,143.38 ; J14.10 26.93,141.7 ; 128.58,165.82 J2.1 ; J2.1 128.58,168.05 ; J2.1 130.82,165.82 ; J2.1 130.82,168.05 ; 110.12,65.22 J21.38 ; J21.38 111.81,65.22 ; J21.38 110.12,63.54 ; J21.38 111.81,63.54 ; 27.79,119.1 J12.9 ; J12.9 27.79,120.79 ; J12.9 29.47,120.79 ; J12.9 29.47,119.1 ; 40.17,106.72 J20.38 ; J20.38 41.85,108.4 ; J20.38 40.17,108.4 ; J20.38 41.85,106.72 ; 119.28,101.64 J1.3 ; J1.3 119.28,103.32 ; J1.3 120.96,103.32 ; J20.37 44.39,106.72 ; J20.37 44.39,108.4 ; J20.37 42.71,106.72 ; J20.37 42.71,108.4 ; 19.33,82.66 J7.4 ; J7.4 21.01,82.66 ; J7.4 19.33,80.98 ; J7.4 21.01,80.98 ; J12.10 26.93,119.1 ; J12.10 25.25,120.79 ; J12.10 25.25,119.1 ; J12.10 26.93,120.79 ; 42.71,63.54 J20.3 ; J20.3 44.39,63.54 ; J20.3 44.39,65.22 ; J20.3 42.71,65.22 ; 130.55,154.29 J18.9 ; J18.9 131.8,154.29 ; J18.9 131.8,153.04 ; 46.01,117.54 J22.3 ; J22.3 46.01,115.86 ; J22.3 47.69,117.54 ; J22.3 47.69,115.86 ; 98.41,61 J23.37 98.41,62.68 ; J21.3 109.27,106.72 ; J21.3 107.58,108.4 ; J21.3 109.27,108.4 ; J21.3 107.58,106.72 ; 96.73,65.22 J23.38 ; J23.38 98.41,63.54 ; J23.38 98.41,65.22 ; J14.9 29.47,143.38 ; J14.9 29.47,141.7 ; J14.9 27.79,141.7 ; J14.9 27.79,143.38 ; J33.4 131.07,62.21 ; J33.4 129.39,63.89 ; J33.4 131.07,63.89 ; J33.4 129.39,62.21 ; 131.8,151.75 J18.5 131.8,150.5 ; 99.27,110.78 J24.7 ; J24.7 100.95,112.46 ; J24.7 100.95,110.78 ; J24.7 99.27,112.46 ; 51.01,98.24 J25.6 51.01,96.56 ; 51.01,94.02 J25.7 51.01,95.7
  vias: v1(17.51,175.47) v1(17.51,172.93) v1(17.51,170.39) v1(17.51,167.85) v1(17.51,165.31) v1(17.51,162.77) v1(17.51,160.23) v1(17.51,157.69) v1(17.51,155.15) v1(17.51,152.61) v1(17.51,150.07) v1(17.51,147.53) v1(17.51,144.99) v1(17.51,142.45) v1(17.51,139.91) v1(17.51,137.37) v1(17.51,134.83) v1(17.51,132.29) v1(17.51,129.75) v1(17.51,127.21) v1(17.51,124.67) v1(17.51,122.13) v1(17.51,119.59) v1(17.51,117.05) v1(17.51,114.51) v1(17.51,111.97) v1(17.51,109.43) v1(17.51,106.89) v1(17.51,104.35) v1(17.51,101.81) v1(17.51,99.27) v1(17.51,96.73) v1(17.51,94.19) v1(17.51,91.65) v1(17.51,89.11) v1(17.51,86.57) v1(17.51,84.03) v1(17.51,81.49) v1(17.51,78.95) v1(17.51,76.41) v1(17.51,73.87) v1(17.51,71.33) v1(17.51,68.79) v1(17.51,66.25) v1(17.51,63.71) v1(17.51,61.17) v1(17.51,58.63) v1(17.51,56.09) v1(17.51,53.55) v1(17.51,51.01) v1(17.51,48.47) v1(17.51,45.93) v1(17.51,43.39) v1(17.51,40.85) v1(17.51,38.31) v1(17.51,35.77) v1(17.51,33.23) v1(18.8,32.72) v1(20.1,175.47) v1(21.34,32.72) v1(22.64,175.47) v1(23.88,32.72) v1(24.97,74.94) v1(25.18,175.47) v1(26.42,32.72) v1(27.72,175.47) v1(28.96,32.72) v1(30.26,175.47) v1(31.5,32.72) v1(32.42,81.49) v1(32.8,175.47) v1(33.84,79.31) v1(34.04,32.72) v1(35.34,175.47) v1(36.58,32.72) v1(36.94,110.8) v1(37.01,88.07) v1(37.39,103.94) v1(37.78,167.19) v1(37.88,175.47) v1(38.56,166.35) v1(39.12,32.72) v1(40.42,175.47) v1(41.66,32.72) v1(42.96,175.47) v1(43.08,152.13) v1(43.69,167.29) v1(44.1,152.13) v1(44.2,32.72) v1(44.66,165.84) v1(44.71,164.9) v1(45.14,152.13) v1(45.5,175.47) v1(45.75,152.99) v1(46.74,32.72) v1(47.07,55.94) v1(48.04,175.47) v1(48.04,62.85) v1(48.24,53.52) v1(49.28,32.72) v1(50.58,175.47) v1(51.82,32.72) v1(53.12,175.47) v1(54.18,90.23) v1(55,90.23) v1(55.66,175.47) v1(55.73,35.24) v1(56.37,37.6) v1(57.23,53.63) v1(57.59,52.69) v1(58.2,175.47) v1(58.4,35.29) v1(58.63,53.6) v1(58.63,52.69) v1(58.63,51.8) v1(59.72,86.11) v1(60.53,92.79) v1(60.64,86.11) v1(60.74,175.47) v1(61.14,37.5) v1(61.35,35.19) v1(62.03,55.05) v1(63.28,175.47) v1(64.22,40.55) v1(64.52,37.52) v1(64.75,35.13) v1(65.82,175.47) v1(66.27,54.03) v1(66.99,157.66) v1(66.99,155.89) v1(67.39,58.76) v1(68.36,175.47) v1(68.76,157.66) v1(68.84,56.45) v1(68.92,60.08) v1(69.58,51.87) v1(70.16,58.35) v1(70.72,46.9) v1(70.82,48.72) v1(70.9,175.47) v1(71.25,51.29) v1(71.25,43.9) v1(71.25,41.87) v1(71.25,39.83) v1(71.25,37.8) v1(71.25,35.77) v1(71.25,33.74) v1(71.25,32.62) v1(71.3,45.47) v1(71.48,53.58) v1(72.88,55.2) v1(73.36,45.45) v1(73.34,32.62) v1(73.44,175.47) v1(73.95,56.32) v1(75.22,57.69) v1(75.37,32.62) v1(75.39,45.45) v1(75.98,175.47) v1(77.2,57.92) v1(77.42,45.45) v1(77.4,32.62) v1(78.52,175.47) v1(78.82,57.92) v1(79.46,45.45) v1(79.43,32.62) v1(81.06,175.47) v1(81.29,49.82) v1(81.44,57.92) v1(81.49,45.45) v1(81.46,32.62) v1(81.84,88.3) v1(82.17,47.45) v1(82.56,55.58) v1(82.58,52.61) v1(82.61,86.47) v1(82.84,57.89) v1(83.52,45.45) v1(83.5,32.62) v1(83.6,175.47) v1(84.11,67.39) v1(84.49,71.79) v1(84.56,93.1) v1(84.77,55.79) v1(84.87,51.7) v1(84.89,110.8) v1(85.07,82.4) v1(85.2,58.4) v1(85.55,45.45) v1(85.53,32.62) v1(85.73,75.8) v1(85.71,69.15) v1(85.73,67.47) v1(85.96,94.9) v1(86.09,82.3) v1(86.14,175.47) v1(86.34,47.17) v1(87,82.12) v1(87,75.57) v1(87.03,70.34) v1(87,67.49) v1(87.33,54.36) v1(87.46,58.33) v1(87.58,45.45) v1(87.56,32.62) v1(88.12,49.94) v1(88.25,75.29) v1(88.3,70.85) v1(88.68,175.47) v1(89.26,67.47) v1(89.46,58.33) v1(89.62,45.45) v1(89.59,32.62) v1(89.9,72.7) v1(89.92,54.59) v1(90.12,69.68) v1(90.91,46.9) v1(91.22,175.47) v1(91.65,45.45) v1(91.62,32.62) v1(92.66,58.6) v1(92.64,51.47) v1(92.94,68.46) v1(93,82.43) v1(93.68,45.45) v1(93.66,32.62) v1(93.76,175.47) v1(94.54,46.69) v1(94.77,58.38) v1(94.77,57.11) v1(94.77,55.07) v1(94.77,53.04) v1(94.77,51.01) v1(94.77,49.26) v1(95.59,76.61) v1(95.66,80.88) v1(95.69,32.62) v1(95.71,70.21) v1(96.3,175.47) v1(97.72,32.62) v1(97.87,46.9) v1(98.05,59.52) v1(98.84,175.47) v1(99.7,59.52) v1(99.75,32.62) v1(100.54,46.9) v1(101.38,175.47) v1(101.78,32.62) v1(101.81,59.57) v1(103.21,46.9) v1(103.79,59.52) v1(103.82,32.62) v1(103.92,175.47) v1(105.36,59.52) v1(105.85,32.62) v1(106.1,46.9) v1(106.46,175.47) v1(106.94,59.52) v1(107.88,32.62) v1(108.16,58.6) v1(108.16,56.7) v1(108.16,55.1) v1(108.16,53.14) v1(108.16,51.04) v1(108.16,49) v1(108.16,46.9) v1(109,175.47) v1(109.91,32.62) v1(111.36,111.87) v1(111.54,175.47) v1(111.69,58.99) v1(111.94,32.62) v1(112.12,57.44) v1(112.12,55) v1(112.12,52.97) v1(112.12,51.44) v1(112.12,49.69) v1(112.12,47.56) v1(113.39,111.61) v1(113.65,46.9) v1(113.98,32.62) v1(114.08,175.47) v1(115.3,59.52) v1(116.01,32.62) v1(116.36,46.9) v1(116.62,175.47) v1(117.33,59.52) v1(118.04,32.62) v1(118.45,46.9) v1(119.16,175.47) v1(119.31,83.5) v1(119.36,59.52) v1(120.07,32.62) v1(120.76,95.16) v1(120.76,93.83) v1(120.76,92.21) v1(120.81,46.9) v1(121.39,59.52) v1(121.7,175.47) v1(122.1,32.62) v1(122.23,95.16) v1(122.23,93.83) v1(123.42,59.52) v1(123.65,95.16) v1(123.65,93.83) v1(123.63,85.02) v1(123.65,46.9) v1(124.14,32.62) v1(124.24,175.47) v1(124.9,79.81) v1(125.02,81.59) v1(125.46,59.52) v1(125.43,57.56) v1(125.43,55.53) v1(125.43,53.5) v1(125.43,51.47) v1(125.43,49.44) v1(125.43,47.12) v1(126.17,32.62) v1(126.78,175.47) v1(127.49,59.52) v1(128.22,45.45) v1(128.2,32.62) v1(128.38,90.35) v1(129.32,175.47) v1(129.52,59.52) v1(130.26,45.45) v1(130.23,32.62) v1(131.55,59.52) v1(131.86,175.47) v1(132.29,45.45) v1(132.26,32.62) v1(133.58,59.52) v1(133.74,175.44) v1(134.32,45.45) v1(134.3,32.62) v1(135.26,59.52) v1(135.31,175.44) v1(135.31,172.9) v1(135.31,170.36) v1(135.31,167.82) v1(135.31,165.28) v1(135.31,162.74) v1(135.31,160.2) v1(135.31,157.66) v1(135.31,155.12) v1(135.31,152.58) v1(135.31,150.04) v1(135.31,147.5) v1(135.31,144.96) v1(135.31,142.42) v1(135.31,139.88) v1(135.31,137.34) v1(135.31,134.8) v1(135.31,132.26) v1(135.31,129.72) v1(135.31,127.18) v1(135.31,124.64) v1(135.31,122.1) v1(135.31,119.56) v1(135.31,117.02) v1(135.31,114.48) v1(135.31,73.84) v1(135.31,71.3) v1(135.31,68.76) v1(135.31,66.22) v1(135.31,61.78) v1(135.34,56.45) v1(135.34,54.41) v1(135.34,52.38) v1(135.34,50.35) v1(135.34,48.32) v1(135.36,46.84) v1(135.36,45.45) v1(135.39,43.39) v1(135.39,41.36) v1(135.39,39.33) v1(135.39,37.29) v1(135.39,35.26) v1(135.39,33.51) v2(132.42,133.92)
